# Altium PCB waffling60-MXHS-ANSI.PcbDoc (part 1 of 3) (continued)
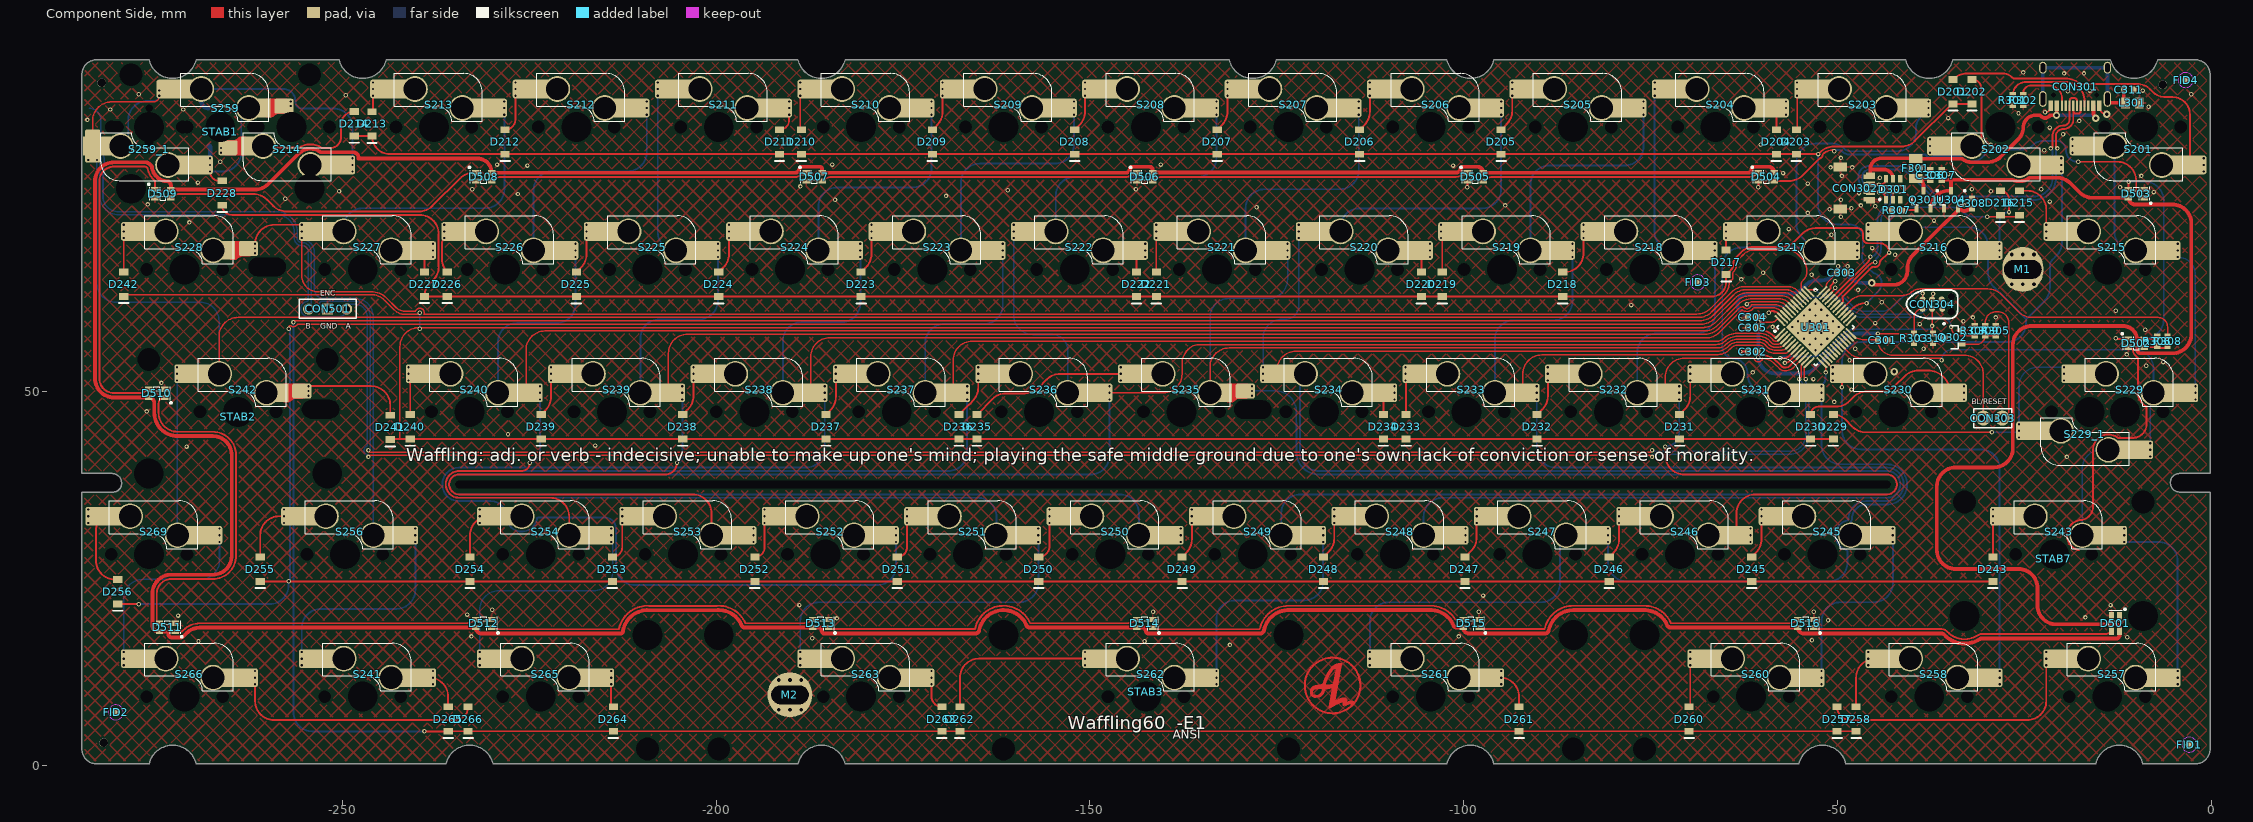
[diagram p0: Component Side view]
## Components (designator, comment, footprint, x,y, rotation, side; value= is the part's Value field where it differs from the comment) (continued)
S269 "MX" "MXHS-SWITCH - 1U TOP LAYER - AS2" -275.85,28.265 r180 top locked
STAB1 "Plug" "Stab 2u" -266.325,85.415 r0 top locked
STAB2 "Plug" "Stab 2u" -263.95,47.315 r0 top locked
STAB3 "Plug" "Stab 7U" -142.499,9.215 r180 top locked
STAB4 "Plug" "Stab 10U" -142.499,9.215 r0 bottom locked
STAB5 "Plug" "Stab 3u"#1 -104.399,9.215 r0 bottom
STAB6 "Plug" "Stab 3u"#2 -180.599,9.215 r0 bottom
STAB7 "Plug" "Stab 2u" -21.056,28.265 r0 top locked
U301 "STM32F072/F303_LQFP48" "STM32 - COMBO 7X7MM" -52.932,58.65 r315 top locked
U304 "XC6206P332MR" SOT-23-3 -34.798,75.692 r270 top
U501 "EC-11 SMD" EC11-SMD -275.85,85.415 r90 bottom

## Footprints (in the part's own frame and the unit in brackets; to place one, negate y for a bottom-side part, rotate by r counter-clockwise, add the part's x,y. Pads: shape width x height; smd on the part's side, far side on the other; paste and mask are expansions set on the pad)
C0603[1608] [mm] "Chip Resistor, 2-Leads, Body 1,57x0,80mm, IPC Medium Density"
  rect 0.8x0.85 smd: 1(-0.65,0) 2(0.65,0)
  body extent -0.83,-0.43 0.82,0.43, height 0.5
C1206[3216] [mm]
  rect 1.2x1.8 smd: 1(-1.35,0) 2(1.35,0)
  silkscreen extent -0.35,-0.8 0.35,0.8, body extent -1.6,-0.9 1.6,0.9, height 1.2
EC11-SMD [mm]
  rect 1.5x2 smd: 1(-2.5,8) 2(2.5,8) A(-2.5,-8) B(2.5,-8) C(0,-8)
  rect 2x3 smd rot 55: M(-6.75,0)
  rect 2.5x2.2 smd: M(6.75,0.508)
  round 0 hole 1.2 unplated: ""(-2,0)
  round 0 hole 1.6 slot 2.2 at 90 deg unplated: ""(0,-4.5)
  round 0 hole 1 unplated: ""(2.5,0)
Fiducial_Nordic [mm]
  round 1 smd paste+0 mask+0.5: 0(0,0)
  Component Side keep-out circle w0.01: c0,0 r1
HDR1X2 [mm] "Connector; Header; 2 Position"
  round 2 hole 0.9 mask+0.102: 1(0,0) 2(2.54,0)
  silkscreen extent -1.27,-1.27 3.81,1.27
HDR1X3 [mm] "Connector; Header; 3 Position"
  round 1.5 hole 0.9 mask+0.102: 1(0,0) 3(5.08,0)
  rect 1.5x1.5 hole 0.9 mask+0.102: 2(2.54,0)
  silkscreen extent -1.27,-1.27 6.35,1.27
L0805 [mm] "based on Sunlord-GZ2012D101TF_C1015 datasheet"
  rect 1.16x1.47 smd: 1(-0.92,0) 2(0.92,0)
  body extent -1.15,-0.72 1.15,0.72, height 1.02
mounting_hole#1 [mm]
  round 1 hole 0.5 paste+0 mask+0: 1(-1.5,-2) 1(-1.5,2) 1(0,-2) 1(0,2) 1(1.5,-2) 1(1.5,2)
  oval 5.5x6 hole 2.5 slot 5 at 0 deg mask+0: 1(0,0)
mounting_hole#2 [mm]
  round 1 hole 0.5 paste+0 mask+0: 1(-1.5,-2) 1(-1.5,2) 1(0,-2) 1(0,2) 1(1.5,-2) 1(1.5,2)
  round 6 hole 2.5 slot 5 at 0 deg mask+0: 1(0,0)
"MXHS-SWITCH - 1U TOP LAYER - AS2" [mm]
  round 3.45 hole 3 mask+0: 1(2.54,-5.08) 2(-3.81,-2.54)
  rect 2.55x2.5 smd paste-40 mask+0.102: 1(4.318,-5.08) 2(-5.588,-2.54)
  rect 2.55x2.5 smd: 1(6.29,-5.08) 2(-7.56,-2.54)
  rrect25% 2.55x2.5 smd paste-40 mask+0.102: 1(7.25,-5.08) 2(-8.52,-2.54)
  round 0.6 hole 0.3 mask+0.102: 1(8.15,-5.969) 1(8.15,-5.08) 1(8.15,-4.191) 2(-9.42,-3.429) 2(-9.42,-2.54) 2(-9.42,-1.651)
  round 1 hole 1.7 unplated: ""(-5.08,0) ""(5.08,0)
  round 1 hole 4 unplated: ""(0,0)
  silkscreen extent -6.48,-7.16 5.32,-0.76, body extent -7.9,-6.75 6.6,-0.85
"MXHS-switch - 1U Top layer - AS2" [mm]
  round 3.45 hole 3 mask+0: 1(2.54,-5.08) 2(-3.81,-2.54)
  rect 2.55x2.5 smd paste-40 mask+0.102: 1(4.318,-5.08) 2(-5.588,-2.54)
  rect 2.55x2.5 smd: 1(6.29,-5.08) 2(-7.56,-2.54)
  rrect25% 2.55x2.5 smd paste-40 mask+0.102: 1(7.25,-5.08) 2(-8.52,-2.54)
  round 0.6 hole 0.3 mask+0.102: 1(8.15,-5.08) 1(8.15,-4.191) 1(8.15,-5.969) 2(-9.42,-3.429) 2(-9.42,-2.54) 2(-9.42,-1.651)
  round 1 hole 1.7 unplated: ""(-5.08,0)
  round 1 hole 4 unplated: ""(0,0)
  silkscreen extent -6.48,-7.16 5.32,-0.76, body extent -7.9,-6.75 6.6,-0.85
"MXHS-SWITCH - 1U TOP LAYER - AS2 - S1" [mm]
  round 3.45 hole 3 mask+0: 1(2.54,-5.08) 2(-3.81,-2.54)
  rect 2.55x2.5 smd paste-40 mask+0.102: 1(4.318,-5.08) 2(-5.588,-2.54)
  rect 2.55x2.5 smd: 1(6.29,-5.08) 2(-7.56,-2.54)
  rrect25% 2.55x2.5 smd paste-40 mask+0.102: 1(7.25,-5.08)
  round 0.6 hole 0.3 mask+0.102: 1(8.15,-5.969) 1(8.15,-5.08) 1(8.15,-4.191) 2(-8.149,-4.4) 2(-6.971,-4.4)
  rrect25% 2x2.55 smd paste-40 mask+0.102: 2(-7.56,-3.5) 2(-7.56,-1.58)
  round 1 hole 1.7 unplated: ""(-5.08,0) ""(5.08,0)
  round 1 hole 4 unplated: ""(0,0)
  silkscreen extent -6.48,-7.16 5.32,-0.76, body extent -7.9,-6.75 6.6,-0.85
"MXHS-switch - 1U Top layer - AS2 - S2"#1 [mm] "Adjusted footprint to prevent conflict with tray mount mounting hole"
  round 3.45 hole 3 mask+0: 1(2.54,-5.08) 2(-3.81,-2.54)
  rect 2.55x2.5 smd paste-40 mask+0.102: 1(4.318,-5.08)
  rect 2.55x2.5 smd: 1(6.29,-5.08)
  rrect25% 2.55x2.5 smd paste-40 mask+0.102: 1(7.25,-5.08)
  round 0.6 hole 0.3 mask+0.102: 1(8.15,-5.969) 1(8.15,-5.08) 1(8.15,-4.191) 2(-9.42,-3.429) 2(-9.42,-2.795)
  rrect25% 2.55x2 smd paste-40 mask+0.102: 2(-8.52,-2.78)
  rect 2.3x2.492 smd paste-40 mask+0.102: 2(-5.588,-2.54)
  round 1 hole 1.7 unplated: ""(-5.08,0) ""(5.08,0)
  round 1 hole 4 unplated: ""(0,0)
  Component Side region: -6.121,-1.295 -6.121,-3.785 -8.839,-3.785 -8.839,-1.905 -8.83,-1.856 -8.802,-1.815 -8.761,-1.788 -8.712,-1.778 -8.712,-1.778 -7.891,-1.778 -7.476,-1.696 -7.125,-1.46 -7.125,-1.46 -6.942,-1.338 -6.726,-1.295 -6.726,-1.295
  silkscreen extent -6.48,-7.16 5.32,-0.76, body extent -7.9,-6.75 6.6,-0.85
"MXHS-switch - 1U Top layer - AS2 - S2"#2 [mm] "Adjusted footprint to prevent conflict with tray mount mounting hole"
  round 3.45 hole 3 mask+0: 1(2.54,-5.08) 2(-3.81,-2.54)
  rect 2.55x2.5 smd paste-40 mask+0.102: 1(4.318,-5.08)
  rect 2.55x2.5 smd: 1(6.29,-5.08)
  rrect25% 2.55x2.5 smd paste-40 mask+0.102: 1(7.25,-5.08)
  round 0.6 hole 0.3 mask+0.102: 1(8.15,-5.08) 1(8.15,-4.191) 1(8.15,-5.969) 2(-9.42,-3.429) 2(-9.42,-2.795) 2(-9.42,-2.15)
  rrect25% 2.55x2 smd paste-40 mask+0.102: 2(-8.52,-2.78)
  rect 2.3x2.492 smd paste-40 mask+0.102: 2(-5.588,-2.54)
  round 1 hole 1.7 unplated: ""(-5.08,0) ""(5.08,0)
  round 1 hole 4 unplated: ""(0,0)
  Component Side region: -6.121,-1.295 -6.121,-3.785 -8.839,-3.785 -8.839,-1.905 -8.83,-1.856 -8.802,-1.815 -8.761,-1.788 -8.712,-1.778 -8.712,-1.778 -7.891,-1.778 -7.476,-1.696 -7.125,-1.46 -7.125,-1.461 -6.942,-1.338 -6.726,-1.295 -6.726,-1.295
  silkscreen extent -6.48,-7.16 5.32,-0.76, body extent -7.9,-6.75 6.6,-0.85
"MXHS-switch - 1U Top layer - AS2 - S2"#3 [mm] "Adjusted footprint to prevent conflict with tray mount mounting hole"
  round 3.45 hole 3 mask+0: 1(2.54,-5.08) 2(-3.81,-2.54)
  rect 2.55x2.5 smd paste-40 mask+0.102: 1(4.318,-5.08)
  rect 2.55x2.5 smd: 1(6.29,-5.08)
  rrect25% 2.55x2.5 smd paste-40 mask+0.102: 1(7.25,-5.08)
  round 0.6 hole 0.3 mask+0.102: 1(8.15,-4.191) 2(-9.42,-3.429) 2(-9.42,-2.795)
  rrect25% 2.55x2 smd paste-40 mask+0.102: 2(-8.52,-2.78)
  rect 2.3x2.492 smd paste-40 mask+0.102: 2(-5.588,-2.54)
  round 1 hole 1.7 unplated: ""(-5.08,0) ""(5.08,0)
  round 1 hole 4 unplated: ""(0,0)
  Component Side region: -6.121,-1.295 -6.121,-3.785 -8.839,-3.785 -8.839,-1.905 -8.83,-1.856 -8.802,-1.815 -8.761,-1.788 -8.712,-1.778 -8.712,-1.778 -7.891,-1.778 -7.476,-1.696 -7.125,-1.46 -7.125,-1.461 -6.942,-1.338 -6.726,-1.295 -6.726,-1.295
  silkscreen extent -6.48,-7.16 5.32,-0.76, body extent -7.9,-6.75 6.6,-0.85
"MXHS-SWITCH - 1U TOP LAYER - AS2 - S2" [mm] "Adjusted footprint to prevent conflict with tray mount mounting hole"
  round 3.45 hole 3 mask+0: 1(2.54,-5.08) 2(-3.81,-2.54)
  rect 2.55x2.5 smd paste-40 mask+0.102: 1(4.318,-5.08)
  rect 2.55x2.5 smd: 1(6.29,-5.08)
  rrect25% 2.55x2.5 smd paste-40 mask+0.102: 1(7.25,-5.08)
  round 0.6 hole 0.3 mask+0.102: 1(8.15,-5.08) 1(8.15,-4.191) 1(8.15,-5.969) 2(-9.42,-3.429) 2(-9.42,-2.795) 2(-9.42,-2.15)
  rrect25% 2.55x2 smd paste-40 mask+0.102: 2(-8.52,-2.78)
  rect 2.3x2.492 smd paste-40 mask+0.102: 2(-5.588,-2.54)
  round 1 hole 1.7 unplated: ""(-5.08,0) ""(5.08,0)
  round 1 hole 4 unplated: ""(0,0)
  Component Side region: -6.121,-1.295 -6.121,-3.785 -8.839,-3.785 -8.839,-1.905 -8.83,-1.856 -8.802,-1.815 -8.761,-1.788 -8.712,-1.778 -8.712,-1.778 -7.891,-1.778 -7.476,-1.696 -7.125,-1.46 -7.125,-1.461 -6.942,-1.338 -6.726,-1.295 -6.726,-1.295
  silkscreen extent -6.48,-7.16 5.32,-0.76, body extent -7.9,-6.75 6.6,-0.85
"MXHS-SWITCH - 1U TOP LAYER - SWITCHED POL AS2" [mm]
  round 0.6 hole 0.3 mask+0.102: 1(-9.42,-3.429) 1(-9.42,-2.54) 1(-9.42,-1.651) 2(8.15,-5.969) 2(8.15,-5.08) 2(8.15,-4.191)
  rrect25% 2.55x2.5 smd paste-40 mask+0.102: 1(-8.52,-2.54) 2(7.25,-5.08)
  rect 2.55x2.5 smd: 1(-7.56,-2.54) 2(6.29,-5.08)
  rect 2.55x2.5 smd paste-40 mask+0.102: 1(-5.588,-2.54) 2(4.318,-5.08)
  round 3.45 hole 3 mask+0: 1(-3.81,-2.54) 2(2.54,-5.08)
  round 1 hole 1.7 unplated: ""(-5.08,0) ""(5.08,0)
  round 1 hole 4 unplated: ""(0,0)
  silkscreen extent -6.48,-7.16 5.32,-0.76, body extent -7.9,-6.75 6.6,-0.85
R0603[1608] [mm] "Chip Resistor, 2-Leads, Body 1,57x0,80mm, IPC Medium Density"
  rect 0.8x0.85 smd: 1(-0.65,0) 2(0.65,0)
  body extent -0.83,-0.43 0.82,0.43, height 0.5
SOD-123 [mm]
  rect 0.91x1.22 smd: 1(1.635,0) 2(-1.635,0)
  silkscreen extent -2.54,-0.64 -2.54,0.63, body extent -1.87,-0.85 1.88,0.85, height 1.2
SOT-23-3 [mm] "3.3v regulator, used in Windsond S2 proto 1"
  rect 1x0.55 smd: 1(1.2,-0.95) 2(1.2,0.95) 3(-1.2,0)
  silkscreen extent -1.32,-1.55 0.7,1.95, body extent -1.1,-1.5 1.45,1.5, height 1
SOT-23-6 [mm]
  rect 1x0.55 smd: 1(1.375,-0.95) 2(1.375,0) 3(1.375,0.95) 4(-1.375,0.95) 5(-1.375,0) 6(-1.375,-0.95)
  silkscreen extent -0.46,-1.92 1.5,1.55, body extent -1.47,-1.49 1.37,1.44, height 1.05
"Stab 2u" [mil]
  round 60 hole 157.01 unplated: ""(-470,-325) ""(470,-325)
  round 60 hole 120 unplated: ""(-470,275) ""(470,275)
  round 39.37 on Mech13: ""(0,0) ""(0,0)
"Stab 3u"#1 [mil]
  round 60 hole 157.01 unplated: ""(-750,-325)
  round 60 hole 120 unplated: ""(-750,275)
  round 39.37 on Mech14: ""(0,0) ""(0,0)
"Stab 3u"#2 [mil]
  round 39.37 on Mech14: ""(0,0) ""(0,0)
  round 60 hole 157.01 unplated: ""(750,-325)
  round 60 hole 120 unplated: ""(750,275)
"Stab 7U" [mil]
  round 60 hole 157.01 unplated: ""(-2250,-325) ""(2250,-325)
  round 60 hole 120 unplated: ""(-2250,275) ""(2250,275)
  round 39.37 on Mech13: ""(0,0)
"Stab 10U" [mil]
  round 60 hole 157.01 unplated: ""(-2625,-325) ""(2625,-325)
  round 60 hole 120 unplated: ""(-2625,275) ""(2625,275)
  round 39.37 on Mech14: ""(0,0)
"STM32 - COMBO 7X7MM" [mm] "LQFP48, 7x7mm"
  oval 0.3x1.45 smd paste-5: 1(-2.75,-4.225) 2(-2.25,-4.225) 3(-1.75,-4.225) 4(-1.25,-4.225) 5(-0.75,-4.225) 6(-0.25,-4.225) 7(0.25,-4.225) 8(0.75,-4.225) 9(1.25,-4.225) 10(1.75,-4.225) 11(2.25,-4.225) 12(2.75,-4.225) 25(2.75,4.225) 26(2.25,4.225) 27(1.75,4.225) 28(1.25,4.225) 29(0.75,4.225) 30(0.25,4.225) 31(-0.25,4.225) 32(-0.75,4.225) 33(-1.25,4.225) 34(-1.75,4.225) 35(-2.25,4.225) 36(-2.75,4.225)
  oval 0.25x0.8 smd: 1(-2.75,-3.4) 2(-2.25,-3.4) 3(-1.75,-3.4) 4(-1.25,-3.4) 5(-0.75,-3.4) 6(-0.25,-3.4) 7(0.25,-3.4) 8(0.75,-3.4) 9(1.25,-3.4) 10(1.75,-3.4) 11(2.25,-3.4) 12(2.75,-3.4) 25(2.75,3.4) 26(2.25,3.4) 27(1.75,3.4) 28(1.25,3.4) 29(0.75,3.4) 30(0.25,3.4) 31(-0.25,3.4) 32(-0.75,3.4) 33(-1.25,3.4) 34(-1.75,3.4) 35(-2.25,3.4) 36(-2.75,3.4)
  oval 0.8x0.25 smd: 13(3.4,-2.75) 14(3.4,-2.25) 15(3.4,-1.75) 16(3.4,-1.25) 17(3.4,-0.75) 18(3.4,-0.25) 19(3.4,0.25) 20(3.4,0.75) 21(3.4,1.25) 22(3.4,1.75) 23(3.4,2.25) 24(3.4,2.75) 37(-3.4,2.75) 38(-3.4,2.25) 39(-3.4,1.75) 40(-3.4,1.25) 41(-3.4,0.75) 42(-3.4,0.25) 43(-3.4,-0.25) 44(-3.4,-0.75) 45(-3.4,-1.25) 46(-3.4,-1.75) 47(-3.4,-2.25) 48(-3.4,-2.75)
  oval 1.45x0.3 smd paste-5: 13(4.225,-2.75) 14(4.225,-2.25) 15(4.225,-1.75) 16(4.225,-1.25) 17(4.225,-0.75) 18(4.225,-0.25) 19(4.225,0.25) 20(4.225,0.75) 21(4.225,1.25) 22(4.225,1.75) 23(4.225,2.25) 24(4.225,2.75) 37(-4.225,2.75) 38(-4.225,2.25) 39(-4.225,1.75) 40(-4.225,1.25) 41(-4.225,0.75) 42(-4.225,0.25) 43(-4.225,-0.25) 44(-4.225,-0.75) 45(-4.225,-1.25) 46(-4.225,-1.75) 47(-4.225,-2.25) 48(-4.225,-2.75)
  rect 5.6x5.6 smd: 47(0,0)
  silkscreen extent -3.65,-4.35 3.65,3.65, body extent -3.52,-3.52 3.52,3.52, height 0.5
TC2030-IDC-NL [mm] "Tag-Connect 6-Pin with No Legs (PN# TC2030-IDC-NL)"
  round 0.9 hole 0.995 unplated: 0(-2.54,0) 0(2.54,-1.016) 0(2.54,1.016)
  round 0.79 smd paste-0.39: 1(-1.27,-0.635) 2(-1.27,0.635) 3(0,-0.635) 4(0,0.635) 5(1.35,-0.635) 6(1.27,0.635)
  silkscreen extent -3.43,-1.91 3.43,1.9
TYPE-C-31-M-12 [mm]
  rect 0.6x1.45 smd: A1B12(-3.25,0) A4B9(-2.45,0) B1A12(3.25,0) B4A9(2.45,0)
  rect 0.3x1.45 smd: A5(-1.25,0) A6(-0.25,0) A7(0.25,0) A8(1.25,0) B5(1.75,0) B6(0.75,0) B7(-0.75,0) B8(-1.75,0)
  oval 1x2.1 / inner oval 1x2.1 / far side oval 1.3x2.4 hole 0.6 slot 1.7 at 90 deg: S1(-4.32,-0.915) S1(4.32,-0.915)
  oval 1x1.6 / inner oval 1x1.6 / far side oval 1.3x2 hole 0.6 slot 1.2 at 90 deg: S1(-4.32,-5.095) S1(4.32,-5.095)
  round 0 hole 0.65 unplated: ""(-2.89,-1.445) ""(2.89,-1.445)
  body extent -4.47,-7.72 4.47,0.18, height 3.21
UDB_combo_JST_MOLEX [mm]
  rect 0.6x1.2 smd: 1(-1.8,2.2) 2(-0.6,2.2) 3(0.6,2.2) 4(1.8,2.2)
  rect 0.6x1.55 smd: 1(-1.5,2.021) 2(-0.5,2.021) 3(0.5,2.021) 4(1.5,2.021)
  rect 0.85x1 smd: 5(-2.94,-1.887) 5(2.94,-1.887)
  rect 1.2x1.8 smd: 5(-2.8,-1.854) 5(2.8,-1.854)
  body extent -3.01,-2.62 2.99,2.33, height 2.96
"WS2812B - 2020" [mm]
  rect 1x0.7 smd: 1(1.065,0.55) 2(-1.065,0.55) 3(-1.065,-0.55) 4(1.065,-0.55)
  silkscreen extent -2.03,-0.89 0.38,1.4, body extent -1.1,-1 1.1,1, height 0.86

## Part data
C301 C302 C303 C304 C305 C311: library part Cap, "Capacitor", LCSC MFG=YAGEO, LCSC Part #=C14663, MRF.Part=CC0603KRX7R9BB104, Version="0603 imperial"
C306 C309: library part Cap, "Capacitor", LCSC MFG="Samsung Electro-Mechanics", LCSC Part #=C19666, MRF.Part=CL10A475KO8NNNC, Version="0603 imperial"
C307 C308: library part Cap, "Capacitor", LCSC MFG="Samsung Electro-Mechanics", LCSC Part #=C15849, MRF.Part=CL10A105KB8NNNC, Version="0603 imperial"
C310: library part Cap, "Capacitor", LCSC MFG="Samsung Electro-Mechanics", LCSC Part #=C1623, MRF.Part=CL10B474KA8NNNC, Version="0603 imperial"
CON301: LCSC MFG="Korean Hroparts Elec", LCSC Part #=C165948, MRF.Part=TYPE-C-31-M-12
CON302: "JST for USB daughter board", LCSC MFG="BOOMELE(Boom Precision Elec)", LCSC Part #=C145956, MRF.Part=C145956
CON303: "Header, 2-Pin"
CON304: library part "Header 3X2", "Header, 3-Pin, Dual row"
CON501: "Header, 3-Pin"
D201 D202 D203 D204 D205 D206 D207 D208 D209 D210 D211 D212 D213 D214 D215 D216 D217 D218 D219 D220 D221 D222 D223 D224 D225 D226 D227 D228 D229 D230 D231 D232 D233 D234 D235 D236 D237 D238 D239 D240 D241 D242 D243 D245 D246 D247 D248 D249 D250 D251 D252 D253 D254 D255 D256 D257 D258 D260 D261 D262 D263 D264 D265 D266: "Default Diode", LCSC MFG=ST(Semtech), LCSC Part #=C81598, MRF.Part=1N4148W, Version=SOD-123
D301: LCSC MFG="ProTek Devices", LCSC Part #=C85364, MRF.Part=SRV05-4-P-T7
D501 D502 D503 D504 D505 D506 D507 D508 D509 D510 D511 D512 D513 D514 D515 D516: library part WS2812B, LCSC MFG=Worldsemi, LCSC Part #=C965555, MRF.Part=WS2812B-2020
F301: "Thermal Fuse", LCSC MFG="Shenzhen JDT Fuse", LCSC Part #=C135338, MRF.Part=ASMD1206-050
L301: LCSC MFG=Sunlord, LCSC Part #=C1015, MRF.Part=GZ2012D101TF, Version="0806 imperial"
Q301: "P-Channel Power MOSFET", LCSC MFG="Vishay Intertech", LCSC Part #=C10487, MRF.Part=SI2301CDS-T1-GE3, Version=SOT23-3
Q302: library part MOSFET-N, "N-Channel MOSFET", LCSC MFG="Changjiang Electronics Tech (CJ)", LCSC Part #=C8545, MRF.Part=2N7002
R301 R302: "Resistor", LCSC MFG="Uniroyal Elec", LCSC Part #=C23186, MRF.Part=0603WAF5101T5E, Version="0603 imperial"
R303 R304 R306 R307: "Resistor", LCSC MFG="Uniroyal Elec", LCSC Part #=C25804, MRF.Part=0603WAF1002T5E, Version="0603 imperial"
R305: "Resistor", LCSC MFG="Uniroyal Elec", LCSC Part #=C25803, MRF.Part=0603WAF1003T5E, Version="0603 imperial"
R308: "Resistor", LCSC MFG="UNI-ROYAL(Uniroyal Elec)", LCSC Part #=C23179, MRF.Part=0603WAF4700T5E, Version="0603 imperial"
S201 S202 S203 S204 S205 S206 S207 S208 S209 S210 S211 S212 S213 S214 S216 S217 S218 S219 S220 S221 S222 S223 S224 S225 S226 S227 S228 S229 S229_1 S230 S231 S232 S233 S234 S235 S236 S237 S238 S239 S240 S241 S242 S243 S245 S246 S247 S248 S249 S250 S251 S252 S253 S254 S256 S257 S258 S259 S259_1 S260 S261 S262 S263 S265 S266 S269: library part SW-PB, "Switch", LCSC MFG=Kailh, LCSC Part #=C5156480, MRF.Part=CPG151101S11-16
S215: library part SW-PB, "TAB", LCSC MFG=Kailh, LCSC Part #=C5156480, MRF.Part=CPG151101S11-16
U301: LCSC MFG=Geehy, LCSC Part #=C915660, MRF.Part=APM32F072CBT6
U304: library part "SOT23 LDO", LCSC MFG="Torex Semicon", LCSC Part #=C5446, MRF.Part=XC6206P332MR
U501: library part EC-11

## Free pads (board coordinates)
  round 1.152 hole 1.152 unplated paste+0.148 mask+0.148: ""(-282.194,91.313) ""(-281.94,3.048) ""(-6.477,91.059)
  round 0 hole 2.5 slot 5 at 0 deg unplated: ""(-260.048,66.7) ""(-252.911,47.65) ""(-128.212,47.614)
  round 0 hole 1 slot 192 at 0 deg unplated: ""(-138.879,37.607)

## Via types
v1: diameter 0.6, hole 0.3, Component Side to Bottom Layer, tented both sides, 182 vias
v2: diameter 0.6, hole 0.3, Component Side to Bottom Layer, tented bottom, 25 vias
v3: diameter 1, hole 0.5, Component Side to Bottom Layer, tented both sides, 5 vias

## Nets (pads, with @x,y where several pads share a name; then routed paths per layer and width w, separated by ;. In a path a pad name is that pad's centre, name@x,y a point inside that pad or via, vN(x,y) a via of type N, cw(c..) or ccw(c..) an arc to the next point about the centre after c; other vN are vias at no path point)
BOOT0: C309.1 CON303.1 R304.1 U301.44 | length 59.6
  Component Side w0.203: v1(-62.103,61.722) cw(c-61.317,60.936) -61.317,62.047 -58.055,62.047 cw(c-58.055,60.442) -56.92,61.577 U301.44@-56.45,61.107 ; v1(-34.798,58.674) ccw(c-33.64,58.674) -33.64,57.516 R304.1@-31.623,57.516 -31.598,57.516 -30.596,58.518 -30.524,58.518 C309.1@-30.226,58.816 -30.226,59.253 cw(c-28.773,59.253) -30.121,59.795 cw(c-28.773,59.253) -29.315,60.601 cw(c-28.773,59.253) -28.773,60.706 -28.547,60.706 cw(c-28.547,59.258) -27.099,59.258 -27.099,47.323 cw(c-27.939,47.323) CON303.1@-27.939,46.482
  Bottom Layer w0.203: v1(-62.103,61.722) -61.833,61.452 -56.208,61.452 ccw(c-56.208,63.431) -54.809,62.031 ; -54.809,62.031 cw(c-53.409,60.632) -53.409,62.611 -51.342,62.611 cw(c-51.342,60.071) -49.545,61.867 -48.366,60.688 ccw(c-46.57,62.484) -46.57,59.944 -36.068,59.944 cw(c-36.068,58.674) v1(-34.798,58.674)
col1: S201.2 S215.2 S229.2 S229_1.1 S243.2 S257.1 U301.20 | length 136.9
  Component Side w0.203: U301.20@-49.414,56.193 -48.448,55.227 ccw(c-46.652,57.023) -46.652,54.483 v1@-36.068,54.483
  Bottom Layer w0.203: v1(-36.068,54.229) cw(c-34.671,54.229) -34.671,55.626 -10.261,55.626 cw(c-10.261,53.086) -7.721,53.086 S229.2@-7.721,49.855 ccw(c-7.721,49.432) -8.144,49.432 S229_1.1@-8.144,43.124 ; S243.2@-17.246,30.805 -17.246,39.695 cw(c-14.706,39.695) -14.706,42.235 S229_1.1@-13.754,42.235 ; S215.2@-4.492,68.016 cw(c-4.492,65.635) -2.111,65.635 S229.2@-2.111,50.744
  Bottom Layer w0.254: S201.2@-12.96,82.875 -12.96,71.445 ccw(c-10.42,71.445) -10.42,68.905 S215.2@-10.102,68.905 ; S243.2@-11.636,29.916 -7.032,29.916 cw(c-7.032,27.376) -4.492,27.376 S257.1@-4.492,12.644
  Bottom Layer w0.6: S201.2@-18.57,81.986 S201.2@-18.57,82.875 S201.2@-18.57,83.764 ; S243.2@-11.636,29.916 S243.2@-11.636,30.805 S243.2@-11.636,31.694 ; S229_1.1@-8.144,41.346 S229_1.1@-8.144,42.235 S229_1.1@-8.144,43.124 ; S257.1@-4.492,10.866 S257.1@-4.492,11.755 S257.1@-4.492,12.644 ; S215.2@-4.492,68.016 S215.2@-4.492,68.905 S215.2@-4.492,69.794 ; S229.2@-2.111,48.966 S229.2@-2.111,49.855 S229.2@-2.111,50.744
col2: S202.2 S216.2 S230.2 S258.2 U301.14 | length 145.4
  Component Side w0.254: U301.14@-51.535,54.072 -50.826,53.362 ccw(c-50.637,53.552) S230.2@-50.637,53.284 ; S230.2@-50.344,53.518 -49.9,53.518 S230.2@-48.777,52.395 ; v1(-49.403,50.6) S230.2@-49.403,51.816
  Bottom Layer w0.254: S216.2@-40.265,71.445 cw(c-39.701,71.445) -39.701,72.009 -32.385,72.009 cw(c-32.385,69.469) -29.845,69.469 -29.845,65.822 ccw(c-27.305,65.822) -29.101,64.026 -24.765,59.69 ; S258.2@-28.304,12.644 -28.304,39.751 ccw(c-30.844,39.751) -30.844,42.291 -46.827,42.291 cw(c-46.827,44.831) -49.367,44.831 -49.367,54.102 cw(c-46.827,54.102) -46.827,56.642 -27.305,56.642 ccw(c-27.305,59.182) -24.765,59.182 -24.765,59.69 ; S202.2@-20.05,79.446 cw(c-20.05,79.353) -19.957,79.353 -19.957,69.995 cw(c-22.497,69.995) -20.701,68.199 -21.209,67.691 ccw(c-20.289,66.771) -21.59,66.771 -21.59,63.917 cw(c-24.13,63.917) -22.334,62.121 -24.765,59.69
  Bottom Layer w0.6: S230.2@-50.637,51.506 S230.2@-50.637,52.395 S230.2@-50.637,53.284 ; S216.2@-45.875,70.556 S216.2@-45.875,71.445 S216.2@-45.875,72.334 ; S258.2@-28.304,10.866 S258.2@-28.304,11.755 S258.2@-28.304,12.644 ; S202.2@-20.05,79.446 S202.2@-20.05,80.335 S202.2@-20.05,81.224
col3: S203.2 S217.2 S231.2 S245.2 S260.2 U301.13 | length 149.4
  Component Side w0.254: v1(-51.562,52.578) -51.562,53.361 -51.587,53.386 -51.557,53.386 U301.13@-51.556,53.385 ; S217.2@-50.363,70.028 S217.2@-49.215,68.905 ; S203.2@-39.69,87.955 cw(c-39.634,87.955) -39.634,88.011 S203.2@-37.719,88.011
  Bottom Layer w0.254: S231.2@-57.727,49.855 -59.486,49.855 cw(c-59.486,52.395) -61.916,51.656 cw(c-59.486,52.395) -62.025,52.351 cw(c-61.771,52.354) -62.025,52.357 ccw(c-64.077,52.395) -63.242,54.269 ccw(c-64.077,52.395) -64.025,54.446 cw(c-64.017,54.7) -64.061,54.45 cw(c-63.763,56.065) -65.405,56.065 -65.405,66.748 cw(c-62.865,66.748) -62.865,69.288 -53.89,69.288 cw(c-53.89,67.98) -52.965,68.905 -54.755,70.695 cw(c-52.959,72.491) -55.491,72.289 cw(c-52.959,72.491) -55.499,72.491 -55.499,80.645 cw(c-52.959,80.645) -52.959,83.185 -50.682,83.185 cw(c-50.682,81.017) -49.149,82.55 ccw(c-48.229,83.47) -48.229,82.169 -42.037,82.169 ccw(c-42.037,84.709) -40.811,82.484 ccw(c-42.037,84.709) -39.497,84.709 -39.497,85.399 cw(c-37.83,85.399) S203.2@-37.83,87.066 ; S260.2@-52.117,12.644 -52.117,19.304 cw(c-49.577,19.304) -49.577,21.844 -45.132,21.844 ccw(c-45.132,24.384) -42.592,24.384 S245.2@-42.592,29.916 ; S231.2@-52.117,48.966 -52.117,42.841 ccw(c-49.577,42.841) -49.577,40.301 -43.379,40.301 cw(c-43.379,37.607) -42.429,35.086 ; S231.2@-52.117,50.744 ccw(c-53.457,52.084) -51.562,52.084 v1(-51.562,52.578) ; S245.2@-48.202,30.805 -48.202,32.537 cw(c-47.948,32.536) -48.165,32.669 ccw(c-48.767,33.041) -48.061,32.984 ccw(c-48.514,33.02) -48.06,33.02 cw(c-46.167,33.02) -47.581,34.279 cw(c-46.167,33.02) -46.167,34.913 -43.379,34.913 ccw(c-43.379,37.607) -42.429,35.086 ; -42.428,35.087 ccw(c-43.379,37.607) -40.69,37.77 ; -40.884,36.591 cw(c-43.379,37.607) -42.429,35.086
  Bottom Layer w0.6: S260.2@-52.117,10.866 S260.2@-52.117,11.755 S260.2@-52.117,12.644 ; S231.2@-52.117,48.966 S231.2@-52.117,49.855 S231.2@-52.117,50.744 ; S217.2@-47.355,68.016 S217.2@-47.355,68.905 S217.2@-47.355,69.794 ; S245.2@-42.592,29.916 S245.2@-42.592,30.805 S245.2@-42.592,31.694 ; S203.2@-37.83,87.066 S203.2@-37.83,87.955 S203.2@-37.83,88.844
col4: S204.2 S218.2 S232.2 S246.2 U301.10 | length 148.1
  Component Side w0.203: S232.2@-73.027,49.855 -73.027,51.943 cw(c-70.487,51.943) -70.487,54.483 -61.167,54.483 ccw(c-60.579,54.61) -59.993,54.474 cw(c-60.203,51.943) -58.409,53.741 ccw(c-58.104,54.043) -58.407,53.74 ccw(c-58.104,54.043) -58.406,53.738 ; -58.382,53.714 -58.405,53.738 ; -57.769,53.101 -58.405,53.738 ; -57.768,53.1 ccw(c-57.023,53.848) -57.023,52.792 ccw(c-57.023,54.502) -55.814,53.293 U301.10@-54.682,54.425 -54.751,54.425 U301.10@-55.123,54.053
  Component Side w0.254: v1(-73.025,42.672) -73.025,41.479 ccw(c-70.485,41.479) -70.485,38.939 -43.379,38.939 cw(c-43.379,37.607) -43.379,36.275 -60.962,36.275 ccw(c-60.962,33.735) -63.48,34.068 ccw(c-60.962,33.735) -63.502,33.735 S246.2@-63.502,30.805 ; S218.2@-68.265,68.905 S218.2@-68.199,68.971
  Bottom Layer w0.254: S232.2@-76.777,49.855 -76.777,55.245 cw(c-74.237,55.245) -74.237,57.785 -68.945,57.785 ccw(c-68.945,60.325) -66.405,60.325 S218.2@-66.405,68.016 ; S204.2@-74.45,89.606 -74.45,71.34 ccw(c-72.015,71.34) S218.2@-72.015,68.905 ; v1(-73.025,42.672) ccw(c-73.025,44.53) -71.167,44.53 S232.2@-71.167,48.966
  Bottom Layer w0.6: S204.2@-74.45,89.606 S204.2@-74.45,90.495 S204.2@-74.45,91.384 ; S232.2@-71.167,48.966 S232.2@-71.167,49.855 S232.2@-71.167,50.744 ; S218.2@-66.405,68.016 S218.2@-66.405,68.905 S218.2@-66.405,69.794 ; S246.2@-61.642,29.916 S246.2@-61.642,30.805 S246.2@-61.642,31.694
col5: S205.2 S219.2 S233.2 S247.2 S261.2 U301.6 | length 260.1
  Component Side w0.203: S233.2@-92.077,49.855 -92.077,52.389 cw(c-89.537,52.389) -89.537,54.929 -78.144,54.929 -78.121,54.951 -74.631,54.951 -74.616,54.937 -66.195,54.937 ccw(c-66.195,57.477) -64.399,55.681 -64.23,55.849 cw(c-63.366,54.985) -63.366,56.208 -60.448,56.208 cw(c-60.448,55.505) -59.951,56.002 ccw(c-58.271,57.201) -58.306,55.136 ccw(c-58.271,57.201) -58.236,55.136 -57.077,55.136 ccw(c-57.077,55.807) U301.6@-56.603,55.332 ; U301.6@-56.603,55.333 U301.6@-56.096,55.839
  Bottom Layer w0.254: S261.2@-112.549,15.184 -112.549,19.304 cw(c-110.009,19.304) -110.009,21.844 -89.662,21.844 ccw(c-89.662,24.384) -87.122,24.384 -87.122,29.985 cw(c-86.302,29.985) S247.2@-86.302,30.805 ; S233.2@-95.827,49.855 -95.827,57.023 cw(c-93.287,57.023) -93.287,59.563 -87.995,59.563 ccw(c-87.995,62.103) -85.455,62.103 S219.2@-85.455,68.016 ; S219.2@-91.065,68.905 -91.065,77.724 cw(c-88.525,77.724) -88.525,80.264 -78.47,80.264 ccw(c-78.47,82.804) -75.93,82.804 S205.2@-75.93,87.066 ; S233.2@-90.217,48.966 -90.217,42.387 ccw(c-87.677,42.387) -87.677,39.847 -43.379,39.847 cw(c-43.379,37.607) -43.379,35.367 -46.167,35.367 ccw(c-46.167,33.02) -48.514,33.02 cw(c-48.767,33.041) -48.704,32.795 ccw(c-48.202,30.805) -48.833,28.852 cw(c-48.912,28.611) -48.658,28.612 -48.658,27.178 cw(c-51.198,27.178) -51.198,24.638 -78.152,24.638 cw(c-78.152,27.178) -80.692,27.178 S247.2@-80.692,29.916
  Bottom Layer w0.6: S261.2@-112.549,13.406 S261.2@-112.549,14.295 S261.2@-112.549,15.184 ; S233.2@-90.217,48.966 S233.2@-90.217,49.855 S233.2@-90.217,50.744 ; S219.2@-85.455,68.016 S219.2@-85.455,68.905 S219.2@-85.455,69.794 ; S247.2@-80.692,29.916 S247.2@-80.692,30.805 S247.2@-80.692,31.694 ; S205.2@-75.93,87.066 S205.2@-75.93,87.955 S205.2@-75.93,88.844